# KiCad board Combined.kicad_pcb (continued)
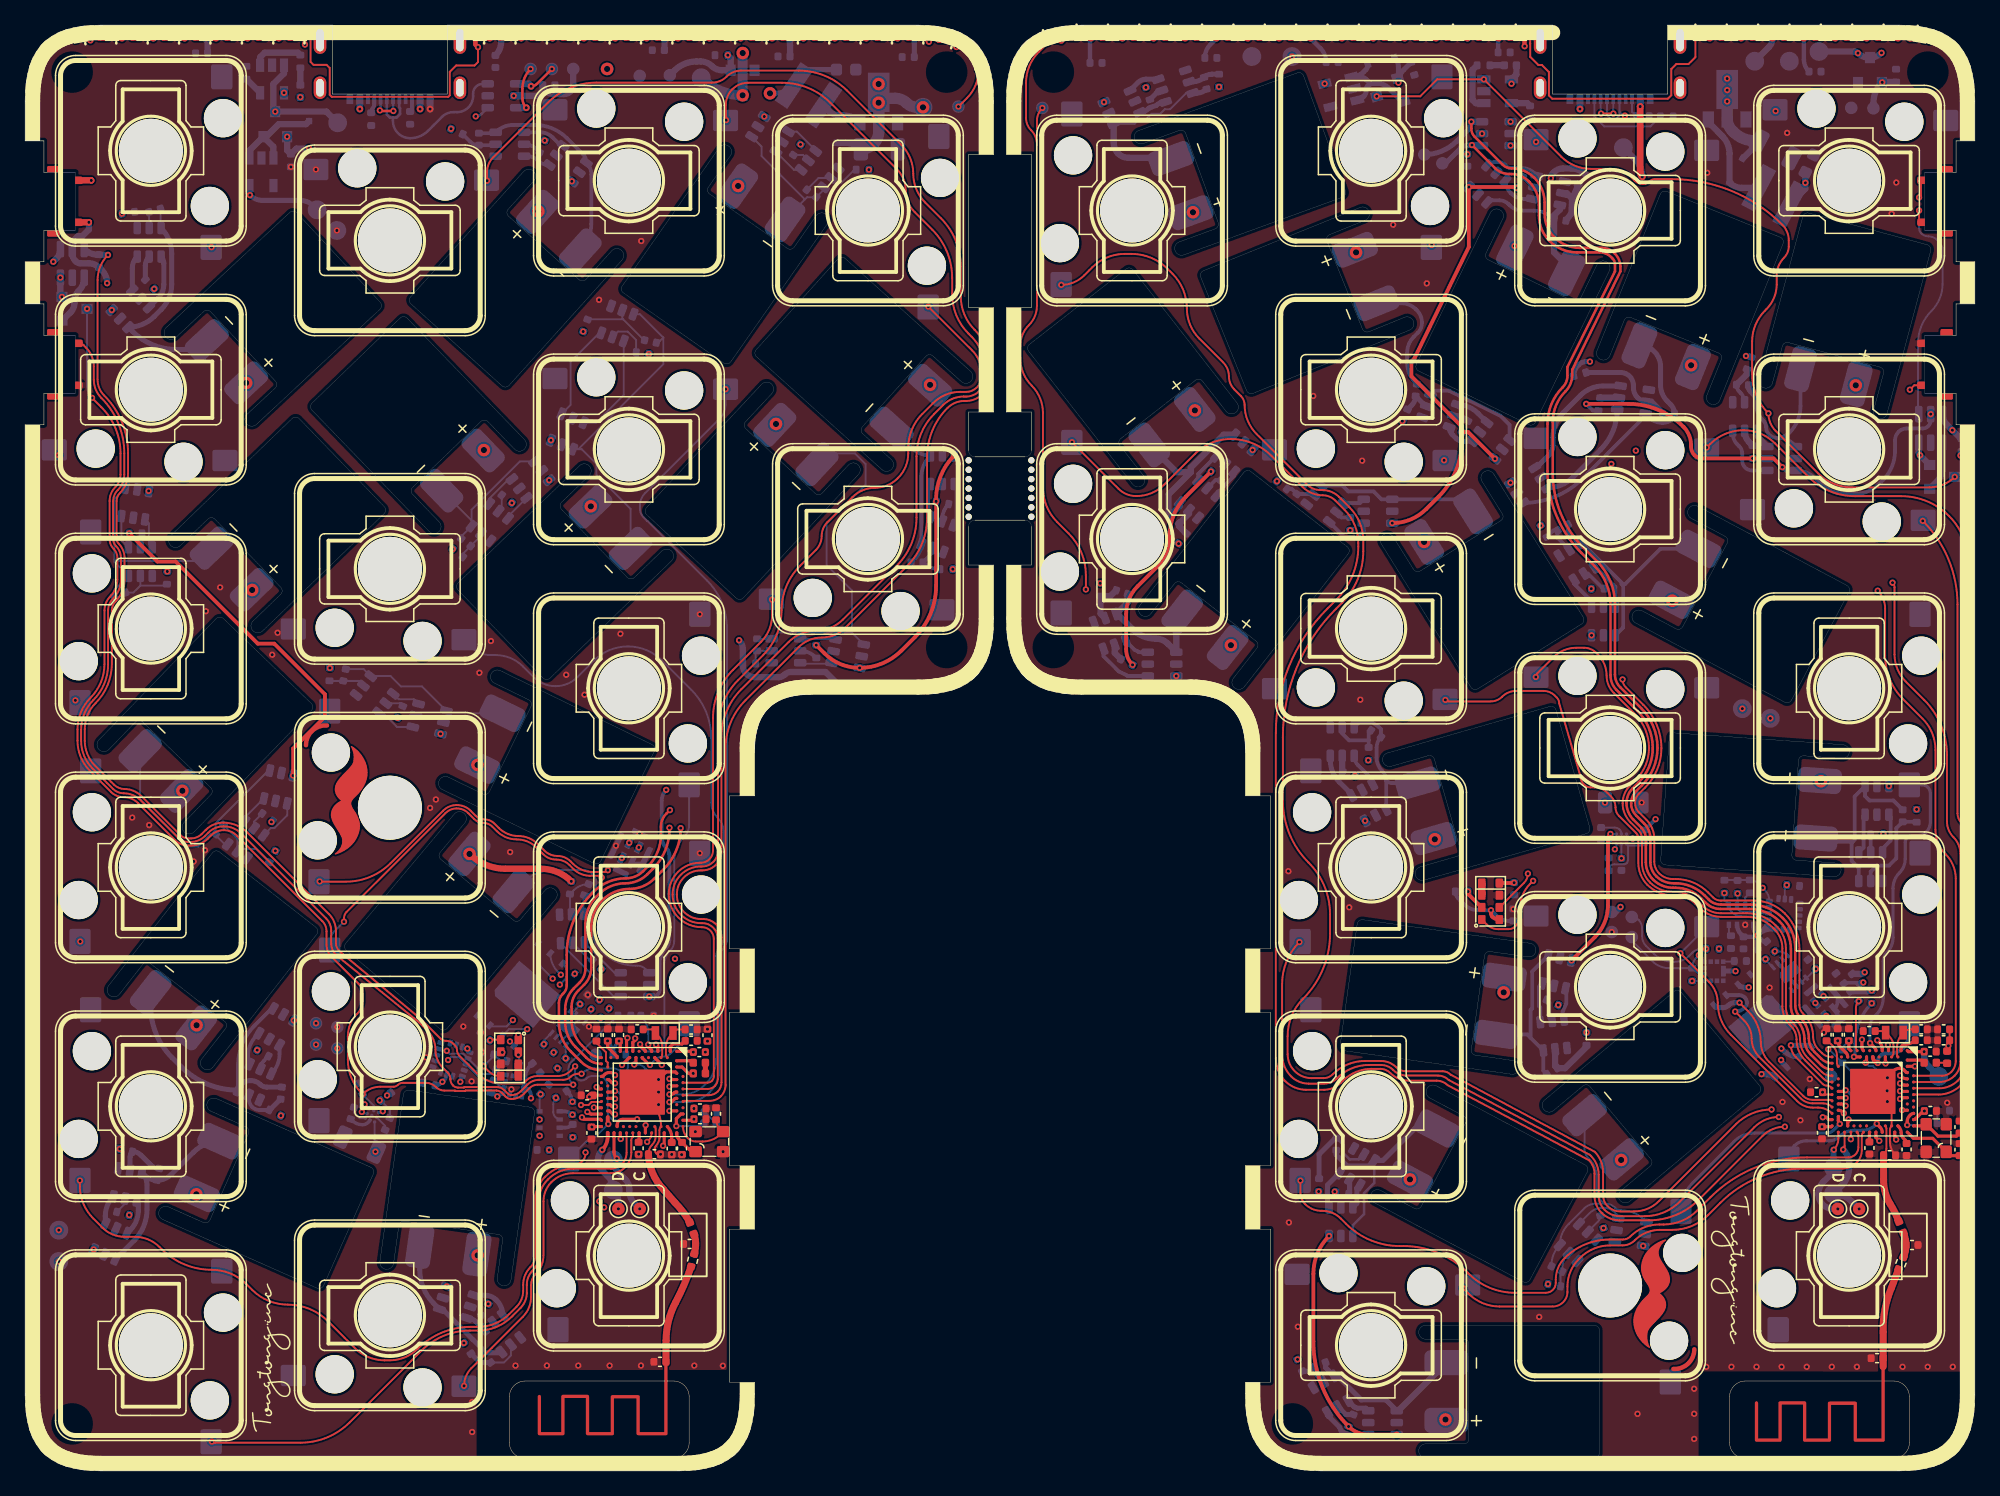
[diagram p0: board, top side]
## Routing (per net, layer and track width the routed paths; a pad name or vN(x,y) marks a point on that pad's centre or on a via; arc(x,y) is an arc through that point) (continued)
/Filter&Reg/VBAT: length 286.5
  Top w0.15: v2(5.34,85.57) 6.08,84.82 arc(7.21,83.14) 7.6,81.15 7.6,79.45 arc(7.5,78.91) 7.19,78.46 arc(6.85,77.95) 6.73,77.35 6.73,74.32 arc(6.82,73.88) 7.06,73.52 arc(7.28,73.2) 7.35,72.82 7.35,71.1 arc(7.21,70.37) 6.79,69.75 arc(6.45,69.23) 6.32,68.61 6.32,64.32 arc(6.04,62.89) 5.22,61.67 arc(4.45,60.51) 4.17,59.13 4.17,58.23 arc(4.43,56.93) 5.17,55.82 6.84,54.15 arc(7.31,53.84) 7.86,53.73 arc(8.47,53.61) 8.99,53.26 11.94,50.31 arc(12.43,49.98) 13.01,49.87 13.21,49.87 arc(13.95,50.02) 14.58,50.44 14.83,50.69 arc(15.29,50.99) 15.82,51.1 arc(16.39,50.99) 16.87,50.67 23.68,43.85 arc(23.94,43.47) 24.02,43.03 24.02,41.96 arc(24.13,41.44) 24.42,41 26.57,38.86 arc(26.82,38.47) 26.91,38.02 26.91,37.55 arc(26.8,36.95) 26.45,36.44 arc(25.91,35.63) 25.72,34.68 25.72,32.77 arc(26.01,31.34) 26.82,30.13 v2(26.91,30.04) 26.94,30.07 arc(27.57,30.49) 28.3,30.64 29.36,30.64 arc(29.55,30.68) 29.71,30.78 arc(29.89,30.91) 30.11,30.95 31.93,30.95 arc(32.37,30.86) 32.74,30.61 arc(33.06,30.4) 33.43,30.33 34.26,30.33 34.29,30.3 35.08,30.3 35.11,30.34 37.57,30.34 37.57,30.33 arc(37.8,30.28) 37.98,30.16 38.29,29.85 arc(38.51,29.71) 38.75,29.66 arc(39.29,29.77) 39.75,30.07 40.21,30.54 arc(40.5,30.73) 40.85,30.8 v2(43.69,30.8) ; v2(107.72,109.62) 111.19,109.62 112.54,110.97 v2(116.26,110.97) 122.43,104.81 arc(123.51,104.09) 124.78,103.83 126.44,103.83 arc(127.28,103.67) 127.98,103.19 128.27,102.91 arc(128.58,102.7) 128.95,102.62 128.96,102.62 arc(129.22,102.68) 129.44,102.82 arc(129.65,102.96) 129.9,103.01 131.27,103.01 arc(136.02,102.07) 140.05,99.37 arc(140.43,98.81) 140.56,98.14 140.56,97.66 arc(140.47,97.16) 140.18,96.74 arc(139.76,96.1) 139.6,95.34 139.6,94.63 arc(139.39,93.55) 138.78,92.64 138.66,92.52 arc(137.91,91.39) 137.64,90.06 137.64,87.47 arc(137.98,85.77) v2(138.94,84.33) arc(139.09,83.58) 139.52,82.93 142.91,79.55 arc(144.14,78.72) 145.6,78.43 151.77,78.43 arc(152.86,78.65) v2(153.79,79.27)
  In1.Cu w0.5: v2(19.94,108.4) arc(19.81,107.77) 19.46,107.24 16.33,104.11 arc(15.74,103.72) 15.05,103.58 14.39,103.58 arc(13.63,103.43) 12.99,103 8.84,98.85 arc(8.68,98.62) 8.63,98.34 arc(8.56,97.99) 8.36,97.69 6.06,95.4 arc(5.23,94.15) v2(4.94,92.68)
  In2.Cu w0.15: v2(127.23,48.85) 126.73,48.85 arc(126.36,48.93) 126.06,49.13 arc(125.83,49.48) 125.74,49.89 125.74,50.92 arc(125.83,51.35) 126.07,51.71 128.55,54.19 arc(129.65,55.83) 130.03,57.77 arc(129.66,59.68) 128.58,61.29 128.5,61.36 arc(128.12,61.94) 127.98,62.62 127.98,62.83 arc(127.88,63.35) 127.59,63.79 127.33,64.04 arc(126.96,64.6) 126.83,65.25 126.83,69.3 arc(127.15,70.89) 128.05,72.24 130.58,74.77 arc(131.03,75.45) 131.19,76.25 arc(131.47,77.66) 132.27,78.85 136.91,83.49 arc(137.84,84.11) v2(138.94,84.33)
  In2.Cu w0.2: v2(127.23,48.85) 127.27,48.82 arc(127.65,48.56) 128.09,48.47 128.79,48.47 arc(129.24,48.38) 129.61,48.13 129.71,48.03 arc(129.98,47.86) 130.29,47.79 138.76,47.07 arc(139.14,47) 139.46,46.78 139.69,46.55 arc(140,46.1) 140.1,45.56 140.1,45.24 arc(140.36,43.94) 141.1,42.84 142.45,41.49 arc(144.36,40.21) v2(146.61,39.76)
  In2.Cu w0.5: v2(100.97,112.79) 101.37,112.79 arc(102.24,112.62) 102.98,112.13 103.91,111.2 arc(105.66,110.03) v2(107.72,109.62)
  Bottom w0.15: v2(4.94,92.68) 4.94,86.54 arc(5.04,86.01) v2(5.34,85.57) ; C42.1 27.79,29.13 U31.B1 ; v2(43.69,30.8) 43.65,30.84 arc(43.39,31.23) 43.3,31.69 43.3,32 arc(43.36,32.34) 43.56,32.63 47.22,36.3 arc(47.24,36.31) R40.1 ; U31#2.B1 v2(127.23,48.85)
  Bottom w0.5: R40#2.1 146.31,39.64 arc(146.47,39.67) v2(146.61,39.76) ; REF**#13.1 24.02,108.4 v2(19.94,108.4) 19.79,108.55 19.79,110.6 20.64,111.45 20.64,111.9
GND: length 22.7
  Top w0.15: C35#2.1 50.46,25.25 arc(50.38,25.27) 50.32,25.31 arc(50.23,25.44) 50.2,25.6 50.2,25.73 arc(50.22,25.83) 50.28,25.92 arc(50.48,26.23) 50.56,26.6 50.56,27.15 arc(50.59,27.32) U30#2.F23 arc(50.46,28.62) 49.8,29.59 U30#2.EP ; 148.76,28.76 U30.F23 arc(148.66,27.36) 148.62,27.18 148.62,26.28 arc(148.74,25.68) C35.1
  Top w0.25: v2(50.49,31.21) 51.1,31.82 51.83,31.82 U30#2.B7 ; U30.B7 arc(149.95,31.78) 149.9,31.81 149.72,31.98 arc(149.59,32.07) 149.43,32.1 149.39,32.1 arc(149.13,32.05) 148.9,31.9
  Bottom w0.15: U38#2.2 49.17,48.51 ; U31.A3 26.66,28.13 26.21,28.58 C41#2.1 ; U36#2.7 43.49,35.35 ; U40.9 38.61,30.28 v2(38.76,30.43) ; 43.29,34.85 U36#2.2
  Bottom w0.3: U36.2 140.42,39.75 ; U36.9 140.62,39.26 U36.7 ; U38.6 144.45,37.43 arc(144.39,37.11) U38.2 arc(144.44,36.47) 144.53,36.04 U38.7
  Bottom w0.54: J1.A1 v3(32.28,108.6)
  vias: v2(0.63,109.88) v2(0.61,107.38) v2(0.61,94.76) v2(0.6,22.59) v2(0.6,20.09) v2(0.6,17.59) v2(0.6,15.09) v2(0.6,12.59) v2(0.6,10.09) v2(0.6,7.59) v2(0.64,5.09) v2(1.13,112.33) v2(1.28,2.67) v2(2.87,114.13) v2(3.17,1.04) v2(5.63,0.62) v2(8.13,0.6) v2(8.54,52.1) v2(9.89,51.5) v2(10.63,0.6) v2(13.13,0.6) v2(13.44,48.6) v2(14.41,68.56) v2(14.34,49.5) v2(15.55,70.46) v2(15.63,0.6) v2(18.13,0.6) v2(19.7,65.09) v2(20.13,66.84) v2(20.63,0.6) v2(21.19,103.99) v2(23.13,0.6) v2(23.17,103.78) v2(24.85,98.92) v2(24.89,35.4) v2(25.63,0.6) v2(28.13,0.6) v2(30.63,0.6) v2(31.96,32.98) v2(32.28,52.87) v2(32.74,53.54) v2(33.13,0.6) v2(34.93,35.44) v2(35.59,31.07) v2(35.63,5.5) v2(35.63,3.1) v2(35.63,0.6) v2(36.21,63.65) v2(36.32,34.96) v2(36.42,33.4) v2(37.13,66.18) v2(38.66,49.35) v2(39.09,8.4) v2(41.59,8.4) v2(43.13,63.49) v2(44.09,8.4) v2(44.59,61.9) v2(44.85,37.97) v2(44.94,35.43) v2(45.75,93.39) v2(46.59,8.4) v2(47.09,49.86) v2(47.45,66.76) v2(48.91,25.26) v2(48.98,50.82) v2(49.11,98.08) v2(49.09,8.4) v2(50.1,36.3) v2(50.49,30.21) v2(50.49,29.21) v2(50.65,25.25) v2(51.54,25.24) v2(52.33,25.22) v2(53.42,27.06) v2(53.34,8.4) v2(53.77,68.31) v2(53.77,49.26) v2(54.22,33.4) v2(54.39,35.23) v2(55.63,25.46) v2(55.61,8.39) v2(57.54,56.95) v2(57.54,54.45) v2(57.54,40.2) v2(57.54,37.7) v2(57.54,23.05) v2(57.54,20.55) v2(57.79,59.45) v2(59.19,61.55) v2(61.54,62.45) v2(64.04,62.52) v2(66.54,62.52) v2(69.04,62.52) v2(71.54,62.52) v2(74,62.94) v2(75.91,64.56) v2(76.6,71.64) v2(76.6,69.47) v2(76.56,66.97) v2(78.82,110.52) v2(78.75,108.02) v2(78.75,105.52) v2(78.75,71.72) v2(78.75,69.22) v2(78.81,66.73) v2(79.57,112.9) v2(79.56,64.35) v2(81.55,62.84) v2(84.02,62.47) v2(86.52,62.47) v2(89.02,62.47) v2(91.52,62.47) v2(94.02,62.39) v2(96.32,61.41) v2(97.6,59.27) v2(97.8,56.78) v2(97.8,54.36) v2(97.8,40.35) v2(97.8,37.85) v2(97.8,23.18) v2(97.8,20.68) v2(97.8,6.52) v2(97.99,4.03) v2(99.12,1.8) v2(100.68,47.82) v2(100.72,19.81) v2(101.43,11.5) v2(101.37,0.72) v2(102.66,85.72) v2(103.87,0.56) v2(105.53,44.94) v2(106.41,61.5) v2(106.37,0.56) v2(106.56,80.56) v2(108.87,0.56) v2(109.03,99.38) v2(111.37,0.56) v2(111.71,94.7) v2(113.87,0.56) v2(116.37,0.56) v2(118.62,44.8) v2(118.87,0.56) v2(120.67,12.28) v2(121.37,0.56) v2(123.87,0.56) v2(126.37,0.56) v2(126.45,42.97) v2(128.51,4.55) v2(128.84,53.3) v2(128.87,0.56) v2(131.37,0.56) v2(133.02,6.55) v2(133.02,4.55) v2(133.02,2.55) v2(133.02,0.55) v2(133.99,8.3) v2(134.06,103.52) v2(135.99,8.3) v2(137.09,43.55) v2(137.99,8.3) v2(139.03,38.54) v2(139.99,8.3) v2(140.06,29.42) v2(140.43,106.7) v2(141.49,27.96) v2(141.99,8.3) v2(142.24,31.25) v2(143.36,34.96) v2(143.99,8.3) v2(145.99,8.3) v2(148.42,31.35) v2(148.41,30.31) v2(148.42,29.45) v2(148.76,100.25) v2(149.13,102.74) v2(149.63,8.3) v2(151.63,8.3) v2(153.19,29.36) v2(153.63,8.3) v2(154.84,23.9) v2(154.84,21.9) v2(154.84,19.9) v2(154.84,17.9) v2(154.84,15.9) v2(154.84,13.9) v2(154.84,11.9) v2(154.84,9.9)
GND1: length 727.9
  Top w0.15: v2(150.95,101.55) 151.1,101.7 U2.2
  Top w0.3: v2(63.06,65.85) 63.71,65.2 arc(64.99,64.34) v2(66.51,64.04) arc(68.32,64.4) 69.85,65.42 70.9,66.47 arc(72.16,68.36) 72.61,70.59 v2(72.61,77.32) 72.61,77.48 arc(72.98,79.37) v2(74.06,80.98) ; v2(8.3,74.77) 10.55,72.52 12,72.52 18.55,65.97 19.86,65.97 23.9,61.93 23.9,60.14 21.36,57.61 v2(21.36,55.46) ; v2(109.32,2.89) 107.05,2.89 arc(106.2,3.06) v2(105.48,3.54) arc(103.41,6.65) 102.68,10.32 102.68,15.72 arc(103,17.35) v2(103.92,18.74) ; v2(94.51,79.7) 92.52,77.7 arc(91.56,76.27) 91.22,74.57 arc(90.95,73.22) 90.18,72.06 88.66,70.54 arc(87.99,69.54) 87.75,68.35 87.75,65.51 arc(87.89,64.85) v2(88.26,64.28) ; v2(114.51,82.84) 114.51,82.17 arc(114.03,79.75) 112.66,77.7 111.66,76.7 arc(110.42,75.87) v2(108.96,75.58) ; v2(114.51,82.84) 115.02,82.84 v2(117.15,80.71) ; v2(114.51,82.84) 114.51,83.27 110.48,87.3 110.48,88.48 110.73,88.72 115.07,97.61 v2(115.07,102.38) 118.83,102.38 v2(118.91,102.3) ; v2(124.42,85.09) 127.77,85.09 arc(130.15,84.62) 132.16,83.27 132.18,83.26 arc(132.62,82.6) 132.77,81.82 132.77,81.68 arc(132.85,81.3) 133.06,80.99 arc(133.33,80.81) 133.65,80.74 v2(137.68,80.74) 139.36,80.74 v2(140.05,80.04) ; v2(123.25,40.71) 125.1,42.55 arc(125.88,43.73) 126.16,45.11 126.16,50.32 arc(126.21,50.58) v2(126.35,50.8)
  Top w0.35: 22.39,57.88 arc(22.88,59.02) 24.06,59.45
  Top w0.5: U2#2.2 5.09,99.57 v2(5.09,99.57)
  In1.Cu w0.3: v2(21.42,35.93) 19.44,33.95 arc(19.01,33.66) v2(18.5,33.56) ; v2(21.42,35.93) 21.42,36.63 arc(21.71,38.07) 22.53,39.3 23.31,40.08 arc(24.06,41.21) 24.33,42.54 arc(24.04,43.96) 23.24,45.17 22.18,46.22 arc(21.5,47.25) 21.26,48.46 arc(20.95,50) 20.08,51.3 v2(19.63,51.75) ; v2(21.42,35.93) 22.34,35 arc(22.6,34.83) 22.91,34.77 23.36,34.77 arc(23.56,34.73) 23.73,34.62 23.88,34.47 arc(24.06,34.19) 24.13,33.87 arc(24.18,33.62) 24.32,33.41 26.46,31.27 arc(27.04,30.88) 27.74,30.74 arc(28.03,30.68) 28.27,30.52 v2(28.85,29.94) arc(29.05,29.63) 29.13,29.27 29.13,28.74 arc(29.08,28.49) 28.94,28.28 28.78,28.12 arc(28.14,27.17) 27.92,26.06 v2(27.92,25.46) ; 129.94,58.77 126.8,61.92 arc(126.23,62.78) 126.02,63.79 arc(125.72,65.33) v2(124.84,66.64) ; 129.94,58.77 130.38,59.21 131.62,59.21 131.64,59.19 139.6,58.63 ; 129.94,58.77 v2(129.94,51.97) 129.19,51.97 arc(127.66,51.67) v2(126.35,50.8) arc(126.03,51.28) 125.92,51.85 v2(125.92,53.3) ; 48.21,98.21 v2(43.58,102.84) 42.19,104.23 arc(41.61,105.09) v2(41.41,106.1) ; 48.21,98.21 50.99,100.99 arc(51.25,101.38) 51.34,101.83 arc(51.49,102.59) 51.92,103.23 54.93,106.24 arc(55.42,106.57) 56.01,106.69 arc(56.76,106.84) 57.41,107.27 57.6,107.46 arc(58.2,107.87) v2(58.92,108.01) ; 48.21,98.21 48.21,96.96 arc(48.02,96.05) 47.51,95.27 47.21,94.97 arc(47.02,94.69) 46.96,94.37 46.96,94.17 arc(47.02,93.87) 47.19,93.61 48.29,92.51 arc(49.34,90.93) v2(49.71,89.07) ; 139.6,58.63 144.76,58.27 146.12,58.27 148.54,55.84 v2(148.54,54.61) ; 139.6,58.63 139.09,59.14 v2(139.09,60.01) ; v2(10.29,94.26) 9.8,93.77 arc(8.47,92.88) v2(6.91,92.57) arc(6.63,92.99) 6.54,93.47 v2(6.54,94.72) ; v2(49.74,37.83) 49.68,37.83 arc(48.78,38.01) 48.02,38.52 46.95,39.59 arc(46.48,39.9) v2(45.92,40.01) ; v2(125.8,19.37) 123.71,17.28 arc(123.13,16.42) 122.93,15.41 122.93,14.76 arc(122.81,14.16) 122.47,13.65 arc(122.01,13.34) 121.46,13.23 118.83,13.23 arc(117.36,13.52) 116.12,14.35 arc(111.27,17.6) 105.54,18.74 v2(103.92,18.74) ; v2(125.8,19.37) 125.8,23.01 arc(125.55,24.26) 124.84,25.31 123.69,26.47 arc(123.14,26.83) 122.49,26.96 arc(121.7,27.12) 121.03,27.57 120.68,27.91 arc(120.16,28.7) 119.97,29.63 119.97,29.8 arc(120.19,30.87) 120.79,31.78 121.01,32 arc(121.89,33.31) 122.19,34.85 v2(122.19,37.15) 122.19,38.16 arc(122.47,39.54) v2(123.25,40.71) ; v2(125.8,19.37) 127,19.37 128.42,17.94 v2(128.96,17.94) ; v2(117.15,80.71) 117.91,79.95 arc(118.26,79.42) v2(118.39,78.81) arc(119.26,78.63) 120,78.14 121.86,76.28 arc(122.65,75.1) 122.92,73.7 arc(123.19,72.36) 123.95,71.23 v2(124.82,70.35) ; v2(8.3,74.77) 8.55,75.03 arc(9.51,76.46) v2(9.85,78.15) ; v2(38.79,77.19) arc(38.74,76.91) 38.57,76.66 33.87,71.96 arc(33.22,70.98) 32.99,69.83 arc(33.17,68.88) 33.71,68.08 33.76,68.03 arc(34.22,67.33) 34.39,66.52 34.39,61.86 arc(34.05,60.19) v2(33.11,58.78) ; v2(51.1,54.31) arc(50.85,54.68) 50.76,55.12 50.76,57.79 arc(50.96,58.77) 51.51,59.6 55.9,63.99 arc(57.96,65.37) 60.4,65.85 v2(63.06,65.85) 60.4,65.85 arc(58.93,66.14) 57.69,66.97 52.43,72.23 arc(52.25,72.5) 52.19,72.83 52.19,72.88 arc(52.12,73.2) 51.94,73.47 51.58,73.83 arc(51.26,74.05) 50.87,74.12 50.76,74.12 arc(50.35,74.21) 49.99,74.44 46.18,78.26 arc(45.89,78.69) 45.79,79.2 arc(45.65,79.86) 45.28,80.42 45.14,80.57 45.14,80.78 45,80.91 arc(43.58,81.86) v2(41.91,82.19)
  In2.Cu w0.15: v2(150.95,101.55) 150.59,101.2 arc(150.48,101.02) 150.43,100.81 150.43,99.89 arc(150.54,99.37) 150.83,98.92 arc(151.16,98.71) 151.53,98.63 151.68,98.63 arc(152.15,98.54) 152.54,98.27 arc(152.8,97.89) 152.89,97.43 152.89,95.05 arc(152.61,93.6) 151.78,92.37 arc(151.14,91.41) 150.91,90.27 150.91,86.59 arc(151.16,85.33) v2(151.87,84.27) 151.87,83.63 arc(152.06,82.69) 152.59,81.89 152.99,81.5 arc(153.57,81.11) v2(154.25,80.97)
  In2.Cu w0.3: v2(103.92,18.74) 103.92,21.82 v2(104.38,22.27) ; v2(9.85,78.15) 9.85,78.73 arc(9.41,80.93) 8.17,82.79 7.73,83.23 arc(6.81,84.6) 6.49,86.23 6.49,91.55 arc(6.6,92.11) v2(6.91,92.57) ; v2(124.82,70.35) 125.75,69.43 125.75,67.31 125.08,66.64 v2(124.84,66.64) ; v2(2.69,16.7) 3.16,16.7 arc(4.41,16.95) v2(5.47,17.66) arc(5.54,17.67) 5.61,17.71 v2(8.3,20.41) arc(8.46,21.21) 8.92,21.89 11.98,24.95 arc(12.91,26.35) 13.24,27.99 13.24,29.39 arc(13.67,30.44) 14.73,30.88 15.56,30.88 arc(16.55,31.08) 17.38,31.64 17.93,32.18 arc(18.35,32.81) v2(18.5,33.56) ; v2(106.8,51.84) 106.8,53.47 arc(106.59,54.53) v2(105.99,55.43) 101.45,59.96 arc(99.32,61.38) 96.81,61.88 arc(96.46,61.95) 96.17,62.15 96.16,62.15 arc(95.31,62.72) 94.31,62.92 92.89,62.92 arc(92.27,63.05) v2(91.75,63.39) 90.41,63.39 arc(89.25,63.62) v2(88.26,64.28) 87.63,64.92 arc(85.8,67.66) 85.15,70.89 arc(84.74,72.95) 83.58,74.7 82.48,75.79 arc(81.55,77.19) 81.22,78.84 81.22,83.21 arc(80.97,84.49) 80.24,85.57 arc(79.23,87.09) 78.87,88.88 78.87,89.34 arc(79.08,90.39) 79.67,91.27 79.97,91.57 arc(80.44,92.27) 80.6,93.08 80.6,103.65 arc(81.03,105.81) 82.25,107.64 arc(83.93,108.76) 85.91,109.16 v2(85.99,109.16) 86.5,109.16 arc(88.03,109.46) v2(89.33,110.33) ; v2(94.51,79.7) 95.1,80.28 arc(96.36,81.12) v2(97.83,81.41) arc(99.11,81.16) 100.19,80.44 v2(105.61,75.01) arc(106.25,75.44) 106.99,75.58 v2(108.96,75.58) ; v2(58.92,108.01) 60.67,106.25 arc(61.19,105.9) v2(61.8,105.78) ; v2(148.1,50.77) 148.1,54.17 v2(148.54,54.61) ; v2(36.92,13.32) 36.31,13.92 arc(35.44,14.51) 34.4,14.72 v2(33.61,14.72) 33.35,14.72 arc(32.77,14.83) 32.28,15.16 arc(31.91,15.4) 31.48,15.49 28.8,15.49 arc(28.12,15.63) 27.55,16.01 arc(27.28,16.41) 27.19,16.88 27.19,19.83 arc(27.36,20.71) 27.86,21.45 arc(28.29,22.1) 28.45,22.87 28.45,24.19 arc(28.31,24.87) v2(27.92,25.46) ; v2(38.79,77.19) 39.78,78.18 arc(40.69,78.79) v2(41.77,79) 41.77,81.85 arc(41.8,82.03) v2(41.91,82.19) arc(43.79,82.57) 45.39,83.63 48.92,87.17 arc(49.51,88.04) v2(49.71,89.07) ; v2(124.42,85.09) arc(123.65,84.94) 122.99,84.5 119.16,80.67 arc(118.59,79.81) v2(118.39,78.81) ; v2(33.11,58.78) arc(31.7,59.72) 30.03,60.05 v2(29.69,60.05) arc(29.47,58.96) 28.85,58.04 26.42,55.61 arc(25.24,54.82) 23.85,54.54 23.57,54.54 arc(22.38,54.78) v2(21.36,55.46) 21.02,55.12 arc(19.99,53.57) v2(19.63,51.75)
  Bottom w0.15: v2(28.85,29.94) 28.94,29.94 TH1.2 ; U31.C3 27.86,25.57 ; U31#2.C3 v2(126.35,50.8)
  Bottom w0.3: R3.1 124.96,84.56 v2(124.42,85.09) ; v2(140.05,80.04) 140.32,79.78 Q8.3 arc(141.98,79.62) 142.69,79.14 143.06,78.76 arc(144.01,78.13) 145.12,77.91 145.85,77.91 arc(146.88,78.12) 147.75,78.7 148.08,79.03 arc(148.79,80.09) 149.03,81.33 149.03,82.17 arc(149.11,82.55) 149.32,82.87 arc(149.61,83.07) 149.95,83.13 151.23,83.13 arc(151.69,83.32) 151.87,83.77 ; 129.08,51.11 v2(129.94,51.97) ; v2(49.74,37.83) 50.03,37.83 arc(50.41,37.99) 50.57,38.37 50.57,40.42 arc(50.71,41.14) 51.12,41.75 arc(51.29,42) 51.35,42.31 51.35,49.14 arc(51.3,49.39) 51.16,49.6 arc(50.85,50.07) 50.74,50.61 50.74,53.44 arc(50.83,53.91) v2(51.1,54.31)
  Bottom w0.5: 3.76,98.02 4.22,98.47 4.56,98.47 5.09,99 v2(5.09,99.57) ; U3#2.2 3.76,97.08 arc(3.82,96.77) 4,96.5 4.06,96.44 arc(4.22,96.34) 4.4,96.3 5.1,96.3 arc(5.53,96.21) R2.2 6.11,95.76 arc(6.42,95.28) v2(6.54,94.72)
VBUS: length 238.9
  Top w0.15: U30.AD2 143.94,33.01 arc(143.55,33.09) 143.21,33.31 142.96,33.57 arc(142.62,34.07) 142.5,34.66 arc(142.32,35.59) 141.8,36.37 141.68,36.48 arc(141.48,36.78) 141.41,37.13 141.41,41.64 arc(141.11,43.17) 140.24,44.46 arc(139.11,45.22) 137.78,45.48 135.14,45.48 arc(134.81,45.55) 134.53,45.73 134.14,46.13 arc(132.95,46.92) 131.54,47.2 131.31,47.2 arc(130.73,47.32) 130.24,47.65 arc(129.95,48.09) 129.84,48.6 129.84,50.41 arc(129.68,51.24) 129.21,51.93 128.63,52.52 arc(128.4,52.87) 128.31,53.27 arc(128.39,53.66) 128.61,53.99 129.11,54.49 arc(130.08,55.93) 130.41,57.63 arc(130.04,59.5) 128.99,61.08 127.58,62.49 arc(127.39,62.78) v2(127.32,63.12)
  Top w0.2: v2(52.25,51.26) arc(51.9,49.48) 50.89,47.97 50.15,47.24 arc(49.24,46.62) 48.15,46.41 arc(46.01,45.52) 45.12,43.38 45.12,40.14 arc(44.98,39.4) 44.55,38.77 44.09,38.31 arc(43.69,37.71) 43.55,37.01 43.55,35.94 arc(43.77,34.84) 44.39,33.91 44.92,33.38 arc(45.39,33.07) U30#2.AD2
  Top w0.54: v3(128.72,108.8) 128.72,103.61 arc(128.77,103.39) v2(128.89,103.2)
  In2.Cu w0.15: v2(127.32,63.12) arc(126.72,64.01) 126.51,65.06 126.51,69.28 arc(126.87,71.05) 127.86,72.54 129.17,73.85 arc(130.05,75.16) 130.35,76.7 arc(130.11,77.95) 129.4,79.01 128.34,80.07 arc(127.7,81.03) 127.47,82.15 arc(127.24,83.35) 126.56,84.37 124.17,86.75 arc(123.83,87.26) 123.71,87.86 124.34,89.64 127.46,96.19 arc(127.72,97.46) 128.43,98.53 128.45,98.55 arc(129.05,99.44) 129.25,100.48 129.25,102.32 arc(129.16,102.8) v2(128.89,103.2)
  In2.Cu w0.2: v2(52.25,51.26) 54.65,53.66 arc(54.85,53.96) 54.92,54.31 arc(54.99,54.7) 55.21,55.03 55.94,55.75 arc(56.25,56.22) 56.36,56.76 56.36,58.25 arc(56.76,60.27) 57.91,61.99 57.98,62.07 arc(59.69,63.21) 61.71,63.61 62.8,63.61 arc(63.54,63.76) 64.16,64.18 64.25,64.26 arc(64.71,64.95) 64.87,65.76 64.87,66.04 arc(65.14,67.44) 65.93,68.62 69.3,71.98 arc(70.76,74.17) 71.28,76.76 71.28,80.48 arc(71.58,82) 72.45,83.3 74.47,85.33 arc(74.9,85.61) 75.4,85.71 75.5,85.71 arc(75.9,85.88) 76.07,86.28 76.07,90.4 arc(75.91,90.77) 75.55,90.92 75.43,90.92 arc(74.97,91.01) 74.59,91.27 arc(74.22,91.81) 74.1,92.45 74.1,96.43 arc(73.78,98.04) 72.87,99.4 71.08,101.19 arc(70.45,102.13) 70.23,103.24 arc(70.02,104.29) 69.42,105.19 68.51,106.09 arc(65.56,108.07) 62.07,108.76 57.27,108.76 arc(56.73,108.87) 56.28,109.17 arc(54.84,110.13) 53.14,110.47 45.26,110.47 arc(43.55,110.13) 42.1,109.16 39.52,106.59 arc(39.48,106.52) 39.47,106.45
  Bottom w0.4: R1.1 109.89,111.75 arc(109.57,111.27) v2(109.45,110.7) 109.45,111.96 arc(109.37,112.38) D1#2.2
  Bottom w0.5: REF**#10.1 128.31,104.6 arc(128.74,103.96) v2(128.89,103.2) ; D4#2.2 118.86,111.37 U33#2.4 v2(118.46,110.62) ; U28#2.5 40.85,109.66 41.26,110.08 C21.1 arc(41.3,110.32) 41.41,110.16 41.58,109.99 arc(41.79,109.85) 42.04,109.8 42.96,109.8 arc(43.47,110.01) 43.69,110.52 REF**#27.1 ; v2(22.64,105.45) 21.63,105.45 R1#2.1 20.89,105.31 v2(20.89,106.4)
  Bottom w0.54: J1#2.A4 v3(123.92,108.6) ; J1.A4 v3(26.68,108.6) ; J1#2.A4 v3(128.72,108.8) ; J1.A4 v3(31.48,108.6)
  vias: v2(20.64,109.9) v2(21.94,109.55) v2(38.94,109.66) v2(114.95,105) v2(116.12,106.64)
(no net): length 28
  Bottom w0.15: Q32.3 126.29,18.43 arc(126.52,18.39) Q29.4 ; Q32.1 124.69,20.55 arc(125.16,20.87) 125.72,20.98 125.8,20.98 arc(126.28,20.89) 126.69,20.61 126.83,20.48 arc(126.93,20.32) Q29.6 ; B15.1 124.29,25.67 arc(124.37,25.27) 124.59,24.93 124.72,24.8 arc(125.12,24.22) 125.25,23.52 125.25,22.28 arc(125.32,21.93) 125.52,21.63 125.77,21.39 arc(125.85,21.33) 125.96,21.31 ; Q32.2 125.35,19.87 arc(125.5,20.1) R29.2 ; 125.96,21.31 125.17,21.31 arc(124.68,21.22) 124.27,20.94 123,19.67 arc(122.5,18.91) Q32.6 arc(121.83,17.28) 121.65,16.41 ; 125.96,21.31 arc(126.36,21.23) 126.7,21 126.71,21 arc(126.95,20.84) 127.22,20.78 arc(128.19,20.59) 129,20.05 ; R32.2 122.38,15.57 arc(122.41,15.75) C15.1 ; Q32.5 arc(122.65,16.82) 122.52,16.15
/BAROMETRIC/CSB: length 2.2
  Bottom w0.15: U35#2.2 137.09,45.73 R48.1
  Bottom w0.3: U35.2 43.04,27.38 arc(43.37,27.44) R48#2.1
/BAROMETRIC/NRF_VDD: length 311.3
  Top w0.15: 37.94,34.39 37.1,34.39 v2(37.05,34.34) ; 143.44,30.01 U30.AD14 ; v2(36.54,32.27) 36.93,31.89 arc(37.38,31.59) U37.5
  Top w0.25: v2(47.34,34.28) 47.44,34.18 U30#2.W1 ; v2(151.35,33.43) 150.09,33.43 U30.B1 ; v2(145.35,34.3) 145.35,33.67 U30.W1 ; C31.2 45.29,29.96 U30#2.AD14 ; U30#2.AD23 45.17,27.46 C33#2.2 ; 151.22,28.64 150.65,28.07 arc(150.59,28.03) U30.A22 ; U30#2.Y2 47.19,33.04 46.43,33.8 v2(46.43,34.29) ; v2(53.31,28.05) 53.22,27.96 U30#2.A22 ; v2(53.26,33.4) 53.2,33.46 U30#2.B1 ; v2(143.21,27.44) 143.94,27.44 U30.AD23 ; U30.Y2 arc(145.23,33.2) 145.12,33.36 144.67,33.81 arc(144.52,34.04) v2(144.46,34.3)
  Top w0.3: U37#2.5 118.61,46.88 arc(118.65,46.89) v2(118.68,46.91) ; v2(116.83,44.71) 116.83,44.47 arc(116.86,44.31) 116.95,44.17 arc(117.18,44.02) 117.45,43.97
  Top w0.5: v2(44.97,29.83) 45.09,29.95 C31.2
  In2.Cu w0.25: 125.16,48.3 125.16,51.01 arc(125.28,51.59) 125.6,52.07 128.11,54.58 arc(129.11,56.08) 129.46,57.85 arc(129.15,59.41) 128.27,60.74 127.31,61.69 arc(126.47,62.96) 126.17,64.44 126.17,69.57 arc(126.53,71.36) 127.55,72.89 128.83,74.16 arc(129.58,75.29) 129.84,76.62 arc(129.62,77.77) 128.97,78.74 127.92,79.79 arc(127.2,80.87) 126.94,82.14 arc(126.73,83.24) 126.1,84.17 123.82,86.45 arc(123.4,87.09) 123.25,87.84 123.25,88.03 123.96,89.86 123.98,89.87 126.96,96.13 arc(126.88,96.55) 126.64,96.91 126.55,96.99 arc(126.22,97.21) 125.83,97.29 125.8,97.29 arc(124.74,97.5) 123.84,98.1 arc(123.32,98.81) 123.04,99.65 123.04,102.95 arc(123.13,103.39) 123.38,103.77 123.81,104.2
  In2.Cu w0.4: 55.37,52.53 55.37,53.51 arc(55.52,54.27) 55.95,54.91 56.46,55.42 arc(56.81,55.95) 56.94,56.58 56.94,58.32 arc(57.29,60.08) 58.29,61.58 58.39,61.68 arc(59.93,62.71) 61.74,63.07 62.68,63.07 arc(63.7,63.27) 64.57,63.85 64.66,63.95 arc(65.19,64.74) 65.38,65.67 arc(65.66,67.12) 66.49,68.35 69.61,71.47 arc(71.28,73.97) 71.87,76.92 71.87,80.52 arc(72.11,81.75) 72.81,82.79 74.88,84.86 arc(75.2,85.07) 75.58,85.15 arc(76.32,85.46) 76.63,86.2 76.63,90.43 arc(76.32,91.17) 75.58,91.48 arc(74.9,91.76) 74.62,92.44 74.62,96.37 arc(74.25,98.24) 73.19,99.82 71.46,101.55 arc(70.94,102.33) 70.76,103.24 70.76,103.53 arc(70.56,104.54) 69.99,105.39 68.46,106.92 arc(65.2,109.1) 61.36,109.86 v1(59.37,109.86) arc(58.2,110.64) 56.83,110.91 45.02,110.91 arc(43.31,110.57) 41.86,109.6 40.5,108.24 arc(39,107.24) 37.24,106.89 36.55,106.89 arc(35.59,107.08) 34.77,107.63 arc(34.37,107.9) 33.9,107.99 33.84,107.99 arc(33.44,107.91) 33.1,107.69 33.1,107.68 arc(32.69,107.41) 32.2,107.31 25.53,107.31 arc(25.51,107.3) 25.49,107.29 24.81,107.29 arc(23.45,107.02) 22.3,106.25 18.01,101.96 arc(17.94,101.86) v2(17.92,101.74)
  In2.Cu w0.5: v2(23.19,35.7) 23.59,35.7 arc(23.89,35.76) 24.14,35.93 arc(24.41,36.11) 24.74,36.18 24.86,36.18 arc(25.53,36.31) 26.1,36.69 arc(26.61,37.03) 27.22,37.15 28.39,37.15 arc(30.03,36.83) 31.41,35.9 ; v2(141.89,102.72) 131.31,102.72 arc(130.48,102.89) 129.78,103.35 arc(128.84,103.98) 127.73,104.2 114.75,104.2 arc(113.86,104.38) 113.1,104.89 110.32,107.66 arc(109.06,108.51) 107.57,108.8 107.3,108.8 arc(105.55,109.15) 104.06,110.14 v2(103.58,110.63)
  Bottom w0.15: 35.28,33.37 35.09,33.56 ; 35.09,33.56 35.22,33.68 v2(35.25,33.68) ; 35.09,33.56 U34.16 ; 142.01,39.34 v2(142.71,40.04) ; U40#2.5 U40#2.6 ; 43.64,36.56 44.23,37.14 ; 43.64,36.56 43.79,36.41 ; 43.64,36.56 U36#2.5 ; 141.63,39.01 U36.5 ; 135.45,47.12 R48.2 arc(137.82,47.05) 138.13,46.85 v2(138.48,46.5) 138.66,46.32 arc(138.92,45.93) U34#2.5 ; R35.2 144.84,33.79 v2(145.35,34.3) ; v2(132.86,39.07) 133.83,39.07 ; v2(36.54,32.27) 37.28,33.01 arc(37.34,33.1) C48.2 37.52,33.03 arc(37.91,32.77) R54.2
  Bottom w0.25: v2(47.34,34.28) 47.28,34.23 arc(46.97,33.75) R35#2.2 46.86,33.25 arc(46.74,33.81) v2(46.43,34.29)
  Bottom w0.3: 145.58,38.15 R37#2.2 arc(145.59,38.18) 145.71,38.15 146.79,38.15 arc(147,38.19) v2(147.17,38.31) ; v2(40.32,29.72) 40.32,29.95 arc(40.27,30.17) 40.15,30.36 40.08,30.43 arc(39.9,30.55) 39.69,30.59 U40.6 ; C48#2.2 118.22,43.87 arc(117.72,43.97) 117.29,44.25 v2(116.83,44.71) 115.82,44.71 arc(115.21,44.83) 114.7,45.18 114.2,45.67 arc(114.04,45.92) R54#2.2 ; R51.2 43.29,30.17 arc(43.52,29.83) R49.2 ; v2(34.69,31.03) 34.69,31.09 arc(34.73,31.3) U34.5 ; U40.10 arc(37.88,30.03) 37.67,29.9 v2(37.64,29.86) 37.5,29.99 arc(37.32,30.11) R56.2
  Bottom w0.35: U34#2.16 139.26,43.2 arc(138.61,43.07) v2(138.05,42.7) ; 138.54,42.21 v2(138.05,42.7) ; v2(138.05,42.7) 138.8,43.44 ; v2(138.05,42.7) arc(137.82,43.05) 137.74,43.46 ; v2(138.05,42.7) arc(138.06,42.7) 138.06,42.69 R52#2.2 ; v2(138.05,42.7) arc(137.94,42.62) 137.8,42.59 C45.2 136.75,42.79 arc(136.52,43.14) U35#2.6
  Bottom w0.4: v1(59.37,109.86) 59.77,109.86 arc(60.59,110.02) L4#2.1 62.54,111.75 C43#2.1 ; 135.36,39.87 136.31,39.87 v2(136.32,39.85) ; REF**#45.1 22.95,100.9 arc(22.48,101.21) 21.93,101.32 18.93,101.32 arc(18.38,101.43) v2(17.92,101.74) 17.89,101.77 U1#2.5
  Bottom w0.5: L4.1 141.89,102.25 v2(141.89,102.72) 141.88,102.73 C43.1 ; v2(138.39,31.64) 138.81,31.64 arc(139.14,31.58) U39.8 ; v2(127.15,44.97) 126.75,44.57 REF**#28.1 ; v2(151.35,33.43) 151.35,33.22 arc(151.46,32.67) 151.78,32.2 REF**#40.1